# Altium PCB PCB3.PcbDoc (part 2 of 2)
Units mm, origin at the board's own origin, x right, y up, seen from the top; angles counter-clockwise.
Board outline 42.3 x 42.3 mm, 4 copper layers (Top Layer, Int1 (GND), Int2 (PWR), Bottom Layer), stack 1.369 mm thick; 111 components, 84 nets, 436 pads, 129 vias.
Unrouted connection lines stored in the file: 1.
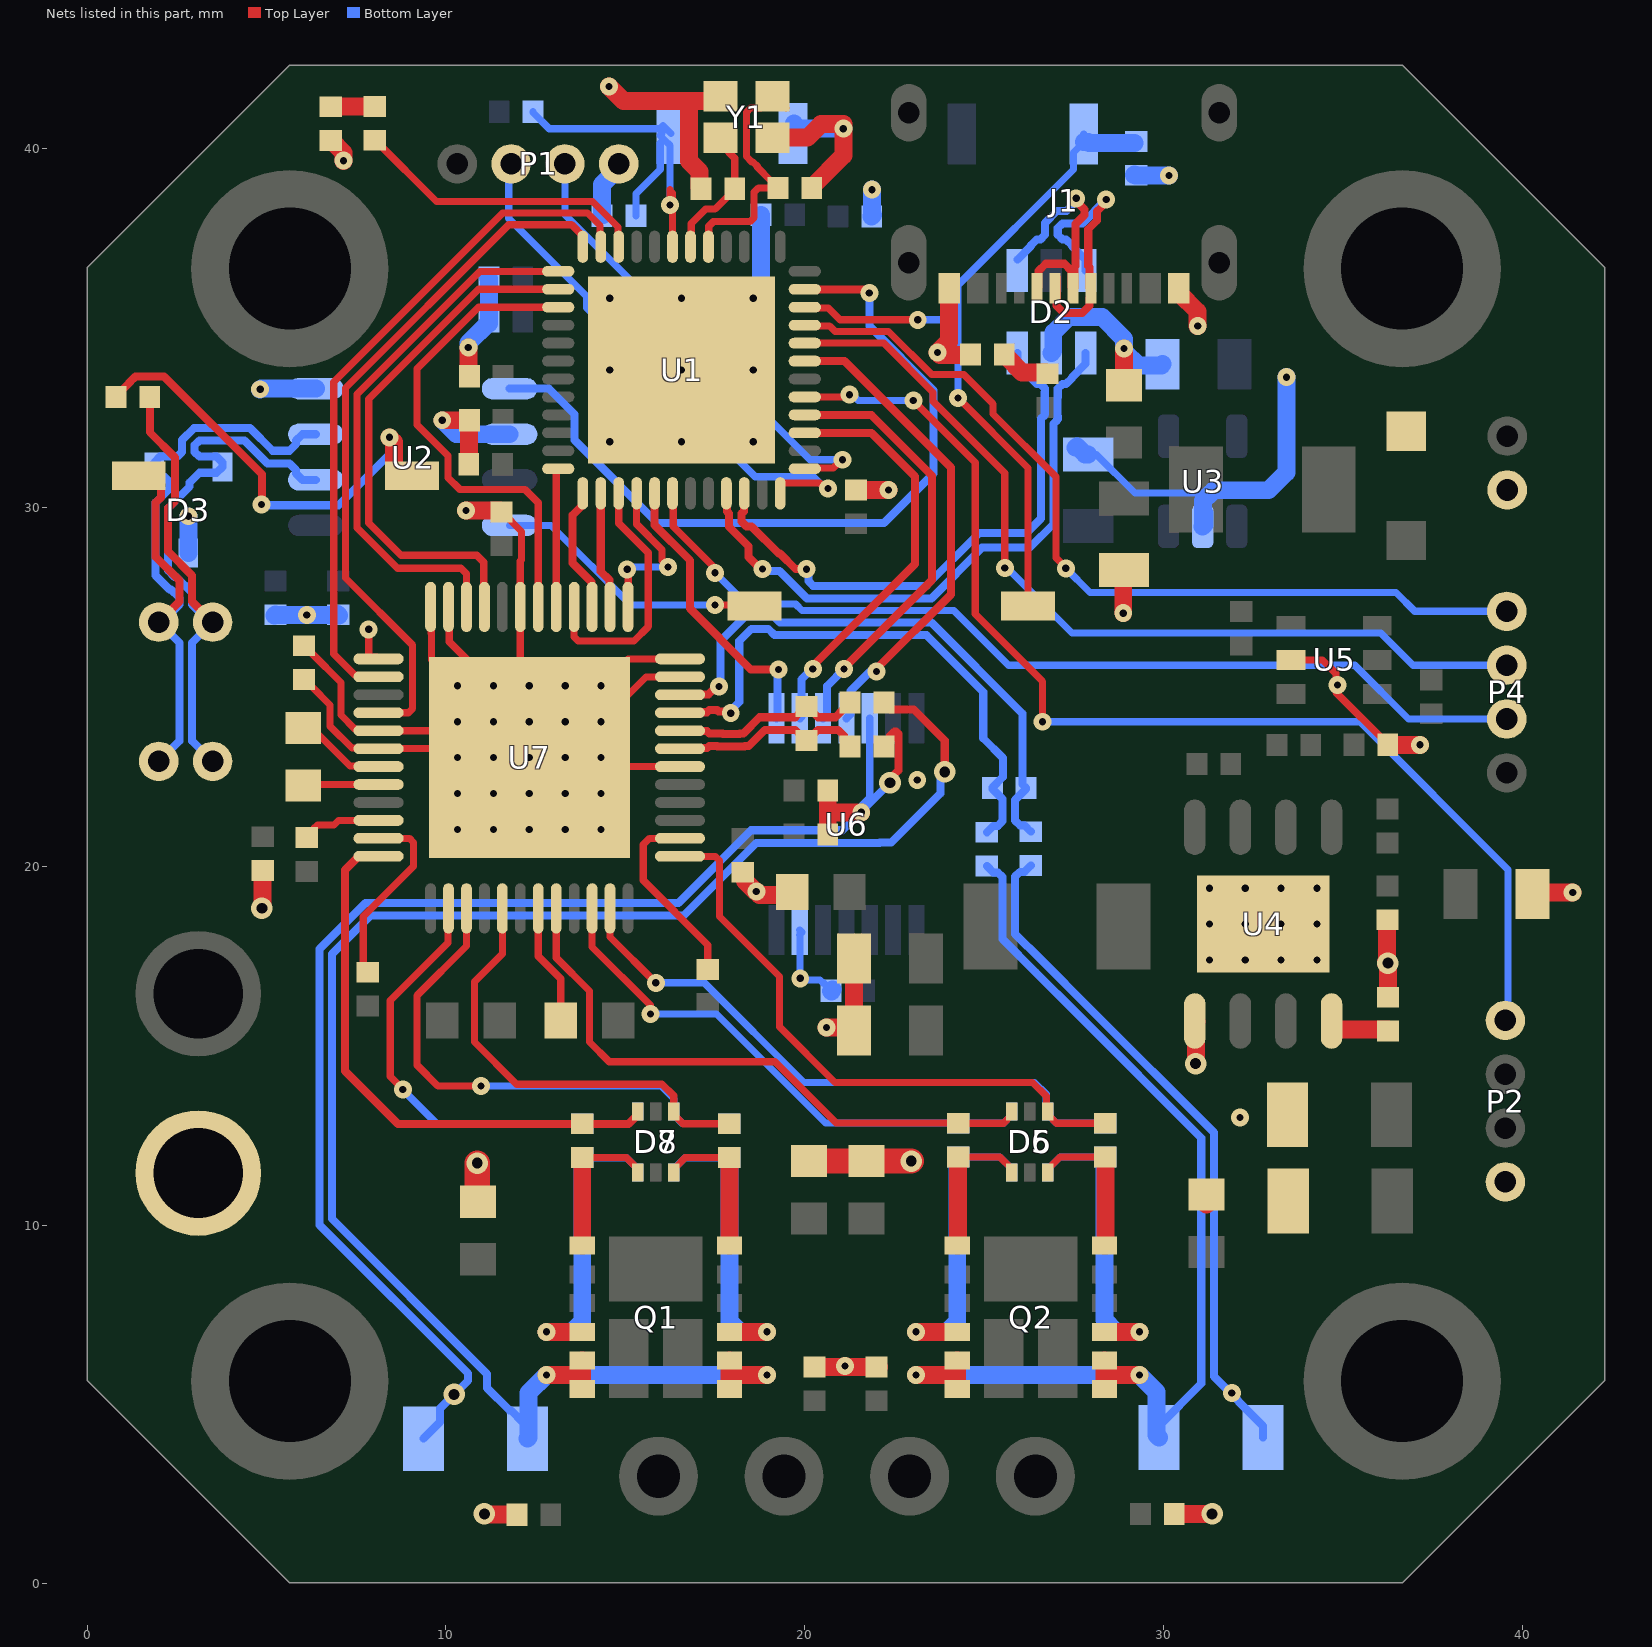
[diagram p4: the nets of this part, all layers, seen from the top]

## Via types
v1: diameter 0.5/0.5 (per signal layer), hole 0.2, Top Layer to Bottom Layer, 112 vias
v2: diameter 0.6/0.6 (per signal layer), hole 0.3, Top Layer to Bottom Layer, 14 vias
v3: diameter 0.9, hole 0.65, Top Layer to Bottom Layer, 2 vias
v4: diameter 0.5, hole 0.2, Top Layer to Bottom Layer, 1 vias

## Nets (pads, with @x,y where several pads share a name; then routed paths per layer and width w, separated by ;. In a path a pad name is that pad's centre, name@x,y a point inside that pad or via, vN(x,y) a via of type N, cw(c..) or ccw(c..) an arc to the next point about the centre after c; other vN are vias at no path point) (continued)
CA2: C34.1 U7.35 | length 5.2
  Top Layer w0.2: C34.1@7.7,17.07 7.7,18.6 9.1,20 9.1,20.658 8.983,20.775 U7.35@8.124,20.775
CAN_FD_RX: SW2.2 U2.4 | length 7.8
  Top Layer w0.2: v1(17.5,27.275) 18.579,27.275 SW2.2@18.604,27.25
  Bottom Layer w0.2: U2.4@11.775,29.495 12.93,29.495 15.15,27.275 v1(17.5,27.275)
CAN_FD_TX: U1.47 U2.1 | length 22
  Top Layer w0.225: U1.47@20.016,36.061 20.03,36.075 21.7,36.075 v1(21.8,35.975)
  Bottom Layer w0.225: U2.1@11.775,33.305 12.87,33.305 13.581,32.594 13.581,31.873 15.892,29.563 22.213,29.563 23.588,30.938 23.588,33.261 21.8,35.048 v1(21.8,35.975)
CAN_N: D3.2 J2.2 J3.2 R7.1 U2.6 | length 22.5
  Top Layer w0.225: R7.1@1.75,33.075 1.75,32.092 2.453,31.39 2.453,30.173 2.262,29.983 2.262,28.765 2.925,28.103 2.925,27.375 J3.2@3.5,26.8
  Bottom Layer w0.225: J2.2@3.5,22.919 2.925,23.494 2.925,24.684 2.925,26.225 J3.2@3.5,26.8 3.419,26.8 2.925,27.294 2.925,27.625 2.488,28.062 2.441,28.062 2.262,28.241 2.262,29.983 2.862,30.582 2.862,30.693 3.132,30.962 3.613,30.962 D3.2@3.775,31.125 3.775,31.25 3.613,31.413 3.132,31.413 3,31.544 3,31.731 3.132,31.863 4.392,31.863 5.03,31.225 5.645,31.225 5.828,31.042 5.828,30.938 6.002,30.765 U2.6@6.375,30.765
CAN_P: D3.1 J2.1 J3.1 SW1.1 U2.7 | length 20.5
  Top Layer w0.225: SW1.1@1.44,30.881 1.773,30.881 2.06,30.594 2.06,30.276 1.912,30.128 1.912,28.62 2.575,27.958 2.575,27.375 J3.1@2,26.8
  Bottom Layer w0.225: J2.1@2,22.919 2.575,23.494 2.575,24.829 2.575,26.225 J3.1@2,26.8 2.081,26.8 2.575,27.294 2.575,27.48 2.343,27.712 2.296,27.712 1.912,28.096 1.912,30.128 2.304,30.519 2.304,30.706 2.172,30.837 2.037,30.837 1.875,31 D3.1@1.875,31.125 1.875,31.25 2.037,31.413 2.518,31.413 2.65,31.544 2.65,31.876 2.987,32.213 4.537,32.213 5.175,31.575 5.645,31.575 5.828,31.758 5.828,31.862 6.002,32.035 U2.7@6.375,32.035
CB1: C33.1 U7.2 | length 5.3
  Top Layer w0.2: U7.2@16.524,20.775 15.675,20.775 15.5,20.6 15.5,19.605 17.3,17.805 C33.1@17.3,17.135
CB2: C35.1 U7.43 | length 3.7
  Top Layer w0.2: U7.43@12.574,18.825 12.574,17.487 13.2,16.861 C35.1@13.2,15.7 13.174,15.674 13.2,15.649 13.1,15.549 C35.1@13.2,15.449
CPI: C31.2 U7.32 | length 2.2
  Top Layer w0.2: C31.2@5.754,22.386 C31.2@5.94,22.2 ; C31.2@6.22,22.251 6.244,22.275 U7.32@8.124,22.275
CPO: C31.1 U7.31 | length 2.3
  Top Layer w0.2: C31.1@6.22,23.851 6.27,23.851 7.327,22.794 8.105,22.794 U7.31@8.124,22.775
D2_N: D2.6 J1.A7 J1.B7 | length 8.9
  Top Layer w0.225: J1.A7@26.975,36.1 27.012,36.063 27.012,35.804 27.012,35.616 27.216,35.412 27.734,35.412 27.937,35.616 27.937,35.833 27.948,35.844 J1.B7@27.948,36.127 ; J1.A7@27.023,35.804 27.023,36.1 J1.A7@27.023,36.401 ; J1.B7@27.948,36.401 J1.B7@27.948,36.127 ; J1.B7@27.975,36.1 J1.B7@27.948,36.127 ; v1(28.4,38.575) 28.4,38.501 28.15,38.251 28.15,37.998 27.9,37.748 27.9,36.727 27.938,36.69 27.938,36.401 27.938,36.137 J1.B7@27.948,36.127
  Bottom Layer w0.225: D2.6@27.825,36.6 27.825,36.9 27.443,37.282 27.443,37.303 27.284,37.463 27.182,37.463 27.05,37.594 27.05,37.781 27.182,37.913 27.738,37.913 v1(28.4,38.575)
D2_P: D2.4 J1.A6 J1.B6 | length 7.4
  Top Layer w0.225: J1.B6@26.475,36.1 26.512,36.137 26.512,36.584 26.716,36.788 27.234,36.788 27.437,36.584 27.437,36.137 J1.A6@27.475,36.1 27.512,36.137 27.512,36.584 27.512,36.69 27.55,36.727 27.55,37.893 27.8,38.143 27.8,38.301 27.565,38.536 v1(27.565,38.61)
  Bottom Layer w0.225: D2.4@25.925,36.9 26.307,37.282 26.307,37.303 26.466,37.463 26.568,37.463 26.7,37.594 26.7,37.926 27.037,38.263 27.295,38.263 27.427,38.394 27.427,38.399 27.565,38.536 v1(27.565,38.61)
D_N: D2.1 U1.33 | length 17.1
  Top Layer w0.225: U1.33@17.816,30.39 17.831,30.376 17.831,29.886 17.891,29.826 17.891,29.458 18.434,28.915 18.434,28.616 18.769,28.281 v1(18.825,28.281)
  Bottom Layer w0.225: v1(18.825,28.281) 18.878,28.228 19.301,28.228 20.067,27.463 23.532,27.463 24.945,28.875 26.27,28.875 26.937,29.543 26.937,32.328 27.027,32.418 27.027,32.441 27.05,32.464 27.05,32.532 27.039,32.544 27.039,33.06 27.05,33.071 27.05,33.306 27.182,33.437 27.284,33.437 27.443,33.597 27.443,33.618 27.825,34 D2.1@27.825,34.3
D_P: D2.3 U1.34 | length 15.9
  Top Layer w0.225: U1.34@18.316,30.39 18.302,30.376 18.302,29.886 18.241,29.826 18.241,29.602 18.375,29.469 18.52,29.469 19.277,28.713 19.313,28.713 19.751,28.275 v1(20.05,28.275)
  Bottom Layer w0.225: v1(20.05,28.275) 20.1,28.225 20.1,27.944 20.232,27.813 23.388,27.813 24.863,29.288 26.188,29.288 26.587,29.687 26.587,32.473 26.677,32.563 26.677,32.586 26.689,32.598 26.689,33.205 26.7,33.216 26.7,33.306 26.568,33.437 26.466,33.437 26.307,33.597 26.307,33.618 25.925,34 D2.3@25.925,34.3
DIAG0: U1.11 U7.26 | length 19.2
  Top Layer w0.2: U7.26@8.124,25.275 7.547,25.275 7.497,25.325 7.459,25.325 6.875,25.909 6.875,33.491 8.605,35.22 11.584,38.2 13.95,38.2 14.297,37.853 14.297,37.279 U1.11@14.316,37.26
ENC_A: P4.2 U1.44 | length 25
  Top Layer w0.2: U1.44@20.001,34.575 22.203,34.575 23.575,33.203 23.575,32.953 25.575,30.953 v1(25.575,28.312)
  Bottom Layer w0.2: v1(25.575,28.312) 25.638,28.312 27.45,26.5 36.05,26.5 36.949,25.601 P4.2@39.562,25.601
ENC_B: P4.1 U1.45 | length 24.4
  Top Layer w0.2: U1.45@20.001,35.075 20.021,35.056 20.694,35.056 20.85,34.9 22.337,34.9 23.537,33.7 24.432,33.7 25.25,32.882 25.25,32.6 27,30.85 27,28.592 27.275,28.317 v1(27.275,28.3)
  Bottom Layer w0.2: v1(27.275,28.3) 27.95,27.625 36.475,27.625 36.999,27.101 P4.1@39.562,27.101
ENC_CS: U1.29 U6.1 | length 8.2
  Top Layer w0.225: U1.29@15.816,30.39 15.816,29.507 16.8,28.523 16.8,27.18 18.496,25.483 v1(19.271,25.483)
  Bottom Layer w0.225: U6.1@19.213,24.12 19.242,24.149 19.242,25.454 v1(19.271,25.483)
ENC_I: P4.3 U1.30 | length 26.5
  Top Layer w0.2: U1.30@16.316,30.39 16.336,30.371 16.336,29.465 17.5,28.3 v1(17.5,28.175)
  Bottom Layer w0.2: v1(17.5,28.175) 18.374,27.301 19.751,27.301 19.927,27.125 24.15,27.125 25.675,25.6 35.325,25.6 36.824,24.101 P4.3@39.562,24.101
ENC_MISO: U1.40 U6.3 | length 12.3
  Top Layer w0.225: U1.40@20.001,32.575 21.855,32.575 23.55,30.88 23.55,27.975 21.097,25.522 v1(21.097,25.496)
  Bottom Layer w0.225: U6.3@20.513,24.12 20.626,24.233 20.626,25.024 v1(21.097,25.496)
ENC_MOSI: U1.43 U6.4 | length 13.6
  Top Layer w0.225: U1.43@20.001,34.075 21.108,34.075 22.265,32.918 24.075,31.108 24.075,27.575 22.001,25.501 v1(22.001,25.426)
  Bottom Layer w0.225: U6.4@21.163,24.12 21.276,24.233 21.276,24.879 21.823,25.426 v1(22.001,25.426)
ENC_SCK: U1.39 U6.2 | length 11.7
  Top Layer w0.225: U1.39@20.001,32.075 21.86,32.075 23.075,30.86 23.075,28.425 20.225,25.575 v1(20.225,25.496)
  Bottom Layer w0.225: U6.2@19.863,24.12 19.907,24.163 19.907,25.207 20.196,25.496 v1(20.225,25.496)
FAN_PWM: P2.1 U1.41 | length 32.5
  Top Layer w0.2: U1.41@20.001,33.075 21.106,33.075 21.169,33.138 v1(21.25,33.138) ; v1(23.025,32.975) 24.75,31.25 24.75,27.025 26.625,25.15 v1(26.625,24.025)
  Bottom Layer w0.2: v1(21.25,33.138) 21.331,33.138 21.494,32.975 v1(23.025,32.975) ; v1(26.625,24.025) 35.478,24.025 39.6,19.903 39.6,15.775 P2.1@39.525,15.7
G1: D6.1 Q2.1 R21.2 | length 4.2
  Top Layer w0.2: R21.2@24.275,11.898 25.435,11.898 25.775,11.558 D6.1@25.775,11.468
  Top Layer w0.5: Q2.1@24.25,9.425 24.275,9.425 R21.2@24.275,11.898
G1_2: D8.1 Q1.1 R17.2 | length 4.2
  Top Layer w0.2: R17.2@13.8,11.631 13.882,11.55 ; R17.2@13.8,11.88 15.028,11.88 15.35,11.558 D8.1@15.35,11.49 ; D8.1@15.29,11.55 D8.1@15.35,11.49 ; D8.1@15.35,11.468 D8.1@15.35,11.49
  Top Layer w0.5: Q1.1@13.8,9.425 13.8,11.631 R17.2@13.8,11.688
G2: D5.3 Q2.4 R16.2 | length 8.7
  Top Layer w0.5: v1(23.1,7.025) Q2.4@24.25,7.025
  Bottom Layer w0.2: R16.2@24.275,11.898 25.42,11.898 25.425,11.893 25.44,11.893 25.775,11.558 D5.3@25.775,11.468
  Bottom Layer w0.5: v1(23.1,7.025) 23.957,7.025 24.25,7.318 R16.2@24.25,11.905
G2_2: D7.3 Q1.4 R20.2 | length 8.4
  Top Layer w0.5: v1(12.8,7.025) Q1.4@13.8,7.025
  Bottom Layer w0.2: R20.2@13.8,11.875 15.033,11.875 15.35,11.558 D7.3@15.35,11.468
  Bottom Layer w0.5: v1(12.8,7.025) 13.507,7.025 13.8,7.318 R20.2@13.8,11.875
G3: D5.1 Q2.9 R22.2 | length 8.5
  Top Layer w0.5: Q2.9@28.35,7.025 v1(29.325,7.025)
  Bottom Layer w0.2: D5.1@26.775,11.468 26.775,11.558 27.115,11.898 R22.2@28.375,11.898
  Bottom Layer w0.5: R22.2@28.35,11.905 28.35,7.35 28.675,7.025 v1(29.325,7.025)
G3_2: D7.1 Q1.9 R19.2 | length 8.3
  Top Layer w0.5: Q1.9@17.9,7.025 v1(18.95,7.025)
  Bottom Layer w0.2: D7.1@16.35,11.468 16.35,11.558 16.667,11.875 17.895,11.875 R19.2@17.9,11.88
  Bottom Layer w0.5: R19.2@17.9,11.63 17.9,7.318 18.193,7.025 v1(18.95,7.025)
G4: D6.3 Q2.12 R23.2 | length 4.3
  Top Layer w0.2: D6.3@26.775,11.468 26.775,11.558 27.115,11.898 R23.2@28.375,11.898
  Top Layer w0.5: Q2.12@28.35,9.425 28.375,9.425 R23.2@28.375,11.898
G4_2: D8.3 Q1.12 R18.2 | length 4
  Top Layer w0.2: D8.3@16.35,11.468 16.35,11.558 16.41,11.618 16.672,11.88 R18.2@17.9,11.88 ; 17.847,11.52 17.9,11.573
  Top Layer w0.5: Q1.12@17.9,9.425 17.9,11.573 R18.2@17.9,11.608
GND: C1.1 C2.2 C3.2 C4.1 C5.1 C6.1 C7.1 C8.1 C9.1 C10.2 C11.1 C12.2 C13.1 C14.2 C15.2 C16.2 C17.2 C18.2 C21.2 C22.2 C23.2 C24.2 C25.2 C26.1 C27.1 C27.2 C28.1 C29.1 C30.1 C39.2 C40.2 C41.1 C42.1 C43.1 C44.1 C45.1 C46.1 C47.1 D2.2 D3.3 D4.2 J1.A1B12 J1.A12B1 J4.2 J5.2 LD1.2 LD2.2 P1.4 P2.4 R2.2 R9.1 R11.1 R13.1 R15.2 R25.2 R27.2 R28.1 R29.1 S1.2 U1.0 U2.2 U2.8 U3.2 U4.0 U4.1 U5.2 U6.5 U6.13 U7.6 U7.11 U7.12 U7.19 U7.23 U7.24 U7.25 U7.29 U7.30 U7.49 Y1.2 Y1.4 | length 169.8
  Top Layer w0.2: C27.1@6.05,25.204 6.07,25.204 6.26,25.014 6.26,25.004 6.775,24.489 6.775,23.9 7.381,23.294 8.105,23.294 U7.30@8.124,23.275 10.074,23.275 v1(10.324,23.025) ; C27.2@6.05,26.144 6.069,26.145 6.26,25.954 6.26,25.935 7.075,25.12 7.075,24.209 7.459,23.825 7.497,23.825 7.547,23.775 U7.29@8.124,23.775 10.074,23.775 v1(10.324,24.025) ; v1(7.85,26.6) 7.85,25.821 8.078,25.821 U7.25@8.124,25.775 ; U7.24@9.574,27.225 9.593,27.206 9.593,26.485 9.599,26.479 9.599,25.75 v1(10.324,25.025) ; U7.23@10.074,27.225 10.093,27.206 10.093,26.256 v1(11.324,25.025) ; C30.1@11.55,29.869 11.57,29.869 12.11,29.329 12.11,28.536 12.074,28.5 U7.19@12.074,27.225 12.074,25.275 v1(12.324,25.025) ; v1(14.324,23.025) 14.574,22.775 U7.6@16.524,22.775 ; v1(14.324,24.025) 15.574,25.275 U7.11@16.524,25.275 ; v1(14.324,25.025) 15.074,25.775 U7.12@16.524,25.775 ; U5.2@33.55,25.746 34.429,25.746 34.8,25.375 34.8,25.093 v1(34.843,25.05) ; v1@34.8,25.068 34.8,24.847 36.245,23.402 R13.1@36.245,23.382
  Top Layer w0.225: R27.2@22.205,23.334 22.382,23.512 22.382,23.64 22.499,23.757 22.542,23.757 22.607,23.691 22.607,22.669 22.376,22.437 v2(22.376,22.326)
  Top Layer w0.5: v2@4.875,18.877 v2(4.875,18.825) 4.888,18.838 4.888,19.868 C39.2@4.9,19.88 4.92,19.88 C39.2@4.96,19.84 ; LD1.2@6.791,40.219 6.811,40.219 7.15,39.88 v1(7.15,39.658) v1@7.15,39.65 ; v1(9.9,32.425) C11.1@10.655,32.425 C11.1@10.647,32.417 ; v1(10.559,29.909) 11.51,29.909 C30.1@11.55,29.869 ; v1(10.625,34.45) C12.2@10.625,33.679 ; C11.1@10.63,32.4 C11.1@10.647,32.417 ; C9.1@10.639,31.2 10.647,31.208 C11.1@10.647,32.417 ; C12.2@10.65,33.704 C12.2@10.625,33.679 ; C12.2@10.655,33.649 C12.2@10.625,33.679 ; v2(11.075,1.95) 11.088,1.937 11.973,1.937 C47.1@11.985,1.925 ; v1(14.55,41.725) 14.95,41.325 16.775,41.325 ; C2.2@17.111,38.875 17.071,38.915 17.071,39.354 16.775,39.65 16.775,41.325 ; Y1.2@17.65,41.45 17.575,41.525 17.375,41.325 16.775,41.325 ; C29.1@18.275,19.83 18.295,19.83 18.335,19.79 18.335,19.588 18.628,19.295 v1(18.65,19.295) 18.743,19.202 19.577,19.202 R15.2@19.65,19.275 ; Y1.4@19.1,40.3 20.076,40.3 20.451,40.675 21.075,40.675 21.075,39.8 20.195,38.92 C3.2@20.195,38.9 ; C45.1@20.275,6.045 21.095,6.045 v1(21.125,6.075) 21.155,6.045 C46.1@22.075,6.045 ; C45.1@20.375,6.045 C45.1@20.405,6.075 ; v1@20.6,15.5 C21.2@21.261,15.5 ; C25.2@20.641,20.886 20.641,21.5 ; C28.1@20.641,22.11 20.641,21.5 ; C21.2@21.156,15.396 C21.2@21.261,15.5 ; C23.2@21.292,17.507 C23.2@21.374,17.425 C21.2@21.374,15.421 21.295,15.5 C21.2@21.261,15.5 ; C21.2@21.365,15.605 C21.2@21.261,15.5 ; C5.1@21.431,30.483 v1(22.333,30.483) ; v1(21.575,21.5) 20.641,21.5 ; v1(23.7,34.315) 23.993,34.608 24.025,34.608 J1.A12B1@24.025,36.1 ; v1@23.775,34.25 24.608,34.25 LD2.2@24.618,34.26 ; C24.2@28.8,33.504 C24.2@28.9,33.404 v1(28.9,34.425) ; v1(28.875,27.05) 28.875,28.125 28.95,28.2 C22.2@28.9,28.25 ; C44.1@30.269,1.975 C44.1@30.295,1.95 v2(31.35,1.95) ; J1.A1B12@30.45,36.075 J1.A1B12@30.425,36.1 30.425,35.975 30.95,35.45 v1@30.95,35.05 ; v2(30.892,14.5) 30.902,14.51 30.902,15.665 U4.1@30.912,15.675 ; C40.2@31.193,10.575 C40.2@31.203,10.585 ; v2@36.2,17.3 36.2,17.327 36.225,17.352 36.225,18.491 R11.1@36.239,18.505 ; R13.1@36.245,23.382 v1(37.144,23.382) ; R9.1@36.25,16.345 v2(36.25,17.3) ; C16.2@40.486,19.286 40.486,19.281 40.5,19.267 v1(41.4,19.267)
  Top Layer w0.7: v2(10.875,11.725) 10.875,10.675 C41.1@10.9,10.65 ; C43.1@20.116,11.782 C42.1@21.721,11.782 v2(22.968,11.782)
  Bottom Layer w0.2: U6.13@19.85,18.083 U6.13@19.869,18.102 ; U6.13@19.863,18.22 U6.13@19.869,18.214 ; v1@19.932,16.818 v1@19.92,16.83 ; C26.1@20.73,16.525 20.73,16.545 20.54,16.735 20.52,16.735 20.425,16.83 v1@19.92,16.83 ; v1(21.575,21.5) 21.575,21.675 21.813,21.913 U6.5@21.813,24.12 ; C14.2@27.9,31.475 28.125,31.475 29.2,30.4 31.318,30.4 31.393,30.475 ; U6.13@19.869,18.102 19.869,16.881 v1(19.875,16.875) v1@19.92,16.83 ; U6.13@19.869,18.102 U6.13@19.869,18.214 ; U6.13@19.869,18.102 19.925,18.158 U6.13@19.869,18.214
  Bottom Layer w0.225: R29.1@9.375,4.05 9.837,4.512 9.837,4.887 v2(10.23,5.28) 10.622,5.672 10.622,5.858 6.475,10.005 6.475,17.695 7.758,18.978 16.483,18.978 18.505,21 21.05,21 v2(22.376,22.326) ; R25.2@26.299,20.021 26.122,19.843 25.994,19.843 25.862,19.711 25.862,18.113 26.594,17.381 27.935,16.04 31.4,12.575 31.4,5.775 32.771,4.404 R28.1@32.771,4.079
  Bottom Layer w0.5: D3.3@2.825,28.725 v1(2.825,29.75) ; v1@4.825,33.275 4.855,33.305 U2.8@6.375,33.305 ; C8.1@5.225,26.98 C8.1@5.25,27.005 ; C8.1@5.254,27.009 C8.1@5.25,27.005 ; C6.1@6.98,27.025 C6.1@7,27.005 ; C6.1@7.026,26.979 C6.1@7,27.005 ; v1(9.9,32.425) 10.29,32.035 U2.2@11.775,32.035 ; v1(10.625,34.45) 10.625,34.575 C13.1@11.2,35.15 ; C10.2@11.18,36.4 C10.2@11.2,36.38 ; C10.2@11.2,36.33 C13.1@11.2,35.15 ; C13.1@11.205,35.126 11.2,35.131 C13.1@11.2,35.15 ; C13.1@11.205,35.175 11.205,35.155 C13.1@11.2,35.15 ; C1.1@14.355,38.125 14.355,38.998 P1.4@14.818,39.46 ; P1.4@14.818,39.405 P1.4@14.818,39.46 ; P1.4@14.818,39.568 P1.4@14.818,39.46 ; U1.0@18.566,35.825 18.566,35.852 18.78,36.066 C7.1@18.78,38.15 ; S1.2@19.7,40.7 19.7,40.675 19.825,40.55 v1(21.075,40.55) ; C26.1@20.75,16.505 C26.1@20.73,16.525 C26.1@20.77,16.565 ; C4.1@21.865,38.12 C4.1@21.865,38.1 C4.1@21.875,38.11 ; v1(21.875,38.85) C4.1@21.875,38.11 ; C4.1@21.905,38.14 C4.1@21.875,38.11 ; D2.2@26.875,34.3 26.925,34.35 26.925,34.866 27.359,35.3 28.291,35.3 28.9,34.691 v1(28.9,34.425) 28.9,34.35 29.3,33.95 29.936,33.95 C18.2@29.975,33.989 ; C14.2@27.55,31.659 27.591,31.7 27.816,31.475 C14.2@27.9,31.475 ; R2.2@29.218,39.25 R2.2@29.213,39.255 ; v1(30.15,39.25) 29.244,39.25 R2.2@29.239,39.255 R2.2@29.213,39.255 ; U3.2@31.09,29.47 U3.2@31.1,29.48 ; U3.2@31.135,29.825 31.135,29.515 U3.2@31.1,29.48 ; 31.318,30.4 31.1,30.182 U3.2@31.1,29.48 ; 31.393,30.475 32.925,30.475 33.425,30.975 v1(33.425,33.625) ; C8.1@5.25,27.005 6.12,27.005 v1(6.125,27) 6.995,27 C6.1@7,27.005 ; R2.2@29.213,39.255 29.185,39.255 29.179,39.261 29.193,39.275 R2.2@29.213,39.255
  other v1: 31.9,5.319 32.125,13 20.61,15.502 10.324,21.025 11.324,21.025 12.324,21.025 13.324,21.025 14.324,21.025 10.324,22.025 11.324,22.025 12.324,22.025 13.324,22.025 14.324,22.025 23.135,22.401 11.324,23.025 12.324,23.025 13.324,23.025 11.324,24.025 12.324,24.025 13.324,24.025 13.324,25.025 4.827,33.29 30.952,35.055
HA1: D8.4 R18.1 U7.41 | length 12.4
  Top Layer w0.2: U7.41@11.574,18.825 11.574,17.555 10.8,16.781 10.8,15.096 11.971,13.925 16.025,13.925 16.349,13.601 D8.4@16.35,13.168 ; D8.4@16.35,13.168 16.35,13.078 16.608,12.82 R18.1@17.9,12.82
HA2: D8.6 R17.1 U7.36 | length 15.7
  Top Layer w0.225: U7.36@8.124,20.275 8.1,20.251 7.55,20.251 7.187,19.888 7.187,14.296 8.664,12.82 15.092,12.82 15.35,13.078 D8.6@15.35,13.168
HB1: D6.4 R23.1 U7.1 | length 16.8
  Top Layer w0.2: U7.1@16.524,20.275 16.527,20.272 17.508,20.272 17.625,20.155 17.625,18.6 19.3,16.925 19.3,15.522 20.847,13.975 26.35,13.975 26.733,13.592 D6.4@26.733,13.192 ; D6.4@26.758,13.185 D6.4@26.775,13.168 ; D6.4@26.775,13.078 27.015,12.838 R23.1@28.375,12.838
HB2: D6.6 R21.1 U7.44 | length 16.7
  Top Layer w0.2: U7.44@13.074,18.825 13.074,17.446 14,16.521 14,15.1 14.55,14.55 19.175,14.55 20.88,12.845 R21.1@24,12.845 ; R21.1@24.275,12.838 25.535,12.838 25.775,13.078 D6.6@25.775,13.168
LA1: D7.6 R19.1 U7.39 | length 14.5
  Top Layer w0.2: U7.39@10.574,18.825 10.574,17.774 9.2,16.4 9.2,14.451 9.776,13.875 v1(10.975,13.875)
  Bottom Layer w0.2: v1(10.975,13.875) 16,13.875 16.35,13.525 D7.6@16.35,13.168 ; D7.6@16.34,13.088 16.603,12.825 17.895,12.825 R19.1@17.9,12.82
LA2: D7.4 R20.1 U7.38 | length 13
  Top Layer w0.2: v1(8.8,13.772) 8.8,13.79 8.45,14.14 8.45,16.257 10.055,17.862 10.055,18.806 U7.38@10.074,18.825
  Bottom Layer w0.2: v1(8.8,13.772) 9.747,12.825 13.795,12.825 R20.1@13.8,12.82 13.805,12.825 15.097,12.825 15.3,13.028 D7.4@15.3,13.168
LB1: D5.6 R22.1 U7.47 | length 17
  Top Layer w0.2: U7.47@14.574,18.825 14.574,18.026 v1(15.85,16.75)
  Bottom Layer w0.2: v1(15.85,16.75) 17.201,16.75 19.976,13.975 26.405,13.975 26.732,13.648 D5.6@26.732,13.193 ; D5.6@26.757,13.186 D5.6@26.835,13.108 ; D5.6@26.775,13.078 27.01,12.843 28.37,12.843 R22.1@28.375,12.838
LB2: D5.4 R16.1 U7.46 | length 15.1
  Top Layer w0.2: U7.46@14.074,18.825 14.074,17.748 15.7,16.122 v1(15.7,15.882)
  Bottom Layer w0.2: v1(15.7,15.882) 17.543,15.882 20.58,12.845 R16.1@24.25,12.845 ; R16.1@24.275,12.838 25.535,12.838 25.775,13.078 D5.4@25.775,13.168
LED: R6.2 U1.10 | length 8.3
  Top Layer w0.2: R6.2@8.015,40.229 8.035,40.229 9.739,38.525 14.085,38.525 14.797,37.812 14.797,37.279 U1.10@14.816,37.26
NetLD1_1: LD1.1 R6.1 | length 1.2
  Top Layer w0.5: LD1.1@6.791,41.159 6.796,41.164 8.01,41.164 R6.1@8.015,41.169 R6.1@8.02,41.174
NetLD2_1: LD2.1 R5.2 | length 1.4
  Top Layer w0.5: LD2.1@25.558,34.26 25.558,34.24 25.598,34.2 25.618,34.2 26.058,33.76 26.722,33.76 R5.2@26.762,33.72
NetR7_2: R7.2 SW1.2 | length 12.6
  Top Layer w0.225: R7.2@0.81,33.075 0.81,33.095 1.192,33.477 1.192,33.488 1.351,33.647 2.149,33.647 4.875,30.921 4.875,30.092 v1(4.858,30.075)
  Top Layer w0.5: v1(8.425,31.95) 8.56,31.815 8.56,31.031 8.71,30.881 SW1.2@9.06,30.881
  Bottom Layer w0.225: v1(4.858,30.075) 4.865,30.075 4.882,30.057 7.007,30.057 8.582,31.632 8.582,31.719 8.425,31.876 v1(8.425,31.95)
NetR9_2: R9.2 U4.4 | length 1.8
  Top Layer w0.5: U4.4@34.68,15.675 34.68,15.491 34.726,15.445 R9.2@36.25,15.445
NRST: C1.2 R1.1 S1.1 U1.7 | length 11.2
  Top Layer w0.2: 16.25,38.85 v1(16.25,38.425) 16.25,38.692 16.316,38.759 U1.7@16.316,37.26
  Bottom Layer w0.2: R1.1@12.426,41.025 12.426,41.005 12.881,40.55 15.975,40.55 15.975,40.555 16.054,40.635 S1.1@16.275,40.414 ; C1.2@15.295,38.125 15.295,38.735 15.975,39.415 15.975,40.15 S1.1@16.077,40.252 ; S1.1@16.025,40.605 16.025,40.425 16.003,40.403 15.964,40.364 S1.1@16.077,40.252 ; v1(16.25,38.425) 16.25,40.078 S1.1@16.077,40.252
O_IN: C3.1 U1.5 Y1.1 | length 7.3
  Top Layer w0.2: U1.5@17.316,37.26 17.325,37.269 17.325,37.833 17.452,37.96 18.473,37.96 18.591,38.077 18.591,38.783 18.708,38.9 C3.1@19.255,38.9 19.255,38.92 19.065,39.11 19.045,39.11 18.675,39.48 18.675,39.508 18.558,39.625 18.521,39.625 18.375,39.771 18.375,41.008 18.492,41.125 18.775,41.125 Y1.1@19.1,41.45 19.15,41.45 Y1.1@19.475,41.125
O_OUT: C2.1 U1.6 Y1.3 | length 3.6
  Top Layer w0.2: U1.6@16.816,37.26 16.836,37.279 16.836,37.911 17.24,38.315 17.504,38.315 17.515,38.326 17.521,38.326 18.051,38.855 18.051,39.728 Y1.3@17.7,40.078
PB8_BOOT0: R2.1 S2.2 SW2.1 U1.46 | length 21.2
  Top Layer w0.2: U1.46@20.001,35.575 20.021,35.556 20.654,35.556 20.985,35.225 v1(23.15,35.225) ; v1(24.275,33.045) 26.224,31.097 SW2.1@26.224,27.25
  Bottom Layer w0.2: v1(23.15,35.225) 24.225,35.225 24.25,35.2 ; v1(24.275,33.045) 24.275,36.204 27.486,39.415 27.486,39.886 27.775,40.175 S2.2@27.775,40.4
  Bottom Layer w0.5: S2.2@27.775,40.175 27.9,40.175 27.925,40.15 R2.1@29.19,40.15
SD_MODE: U1.14 U7.21 | length 14.9
  Top Layer w0.2: U7.21@11.074,27.225 11.055,27.244 11.055,28.47 10.863,28.662 8.75,28.662 7.85,29.563 7.85,33.015 10.91,36.075 U1.14@13.131,36.075
SPI_MODE: U1.13 U7.22 | length 15.3
  Top Layer w0.2: U7.22@10.574,27.225 10.574,28.151 10.425,28.3 8.653,28.3 7.525,29.428 7.525,33.15 10.95,36.575 U1.13@13.131,36.575
SRAH1_N: C38.1 R27.1 U7.7 | length 5.5
  Top Layer w0.225: U7.7@16.524,23.275 16.539,23.289 17.278,23.289 17.339,23.35 17.562,23.35 17.573,23.339 18.329,23.339 18.34,23.35 18.439,23.35 18.889,23.8 19.735,23.8 20.03,23.505 C38.1@20.05,23.505 20.07,23.505 20.365,23.8 20.927,23.8 21.087,23.64 21.087,23.512 R27.1@21.265,23.334
SRAH1_P: C38.2 R26.1 U7.8 | length 5.4
  Top Layer w0.225: U7.8@16.524,23.775 16.539,23.761 17.278,23.761 17.339,23.7 17.707,23.7 17.718,23.689 18.184,23.689 18.195,23.7 18.294,23.7 18.744,24.15 19.735,24.15 20.03,24.445 C38.2@20.05,24.445 20.07,24.445 20.365,24.15 20.856,24.15 21.067,24.362 21.087,24.362 21.265,24.539 R26.1@21.265,24.559
SRAH_P: Q1.5 Q1.6 Q1.7 Q1.8 R26.2 R29.2 | length 49.5
  Top Layer w0.225: R26.2@22.205,24.559 22.205,24.539 22.382,24.362 23.038,24.362 23.901,23.499 v2(23.901,22.626)
  Top Layer w0.5: v1(12.8,5.825) 13.8,5.825 ; Q1.6@13.8,5.425 13.8,5.825 ; Q1.5@13.8,6.225 13.8,5.825 ; Q1.7@17.9,5.425 17.9,5.825 ; Q1.8@17.9,6.225 17.9,5.825 ; v1(18.95,5.825) 17.9,5.825
  Bottom Layer w0.225: R29.2@12.138,4.512 11.813,4.837 11.776,4.837 11.15,5.464 11.15,5.85 6.825,10.175 6.825,17.55 7.903,18.628 16.628,18.628 18.65,20.65 22.08,20.65 22.092,20.663 22.411,20.663 23.778,22.029 23.778,22.503 v2(23.901,22.626)
  Bottom Layer w0.5: R29.2@12.275,4.05 12.3,4.075 12.3,4.339 12.3,4.675 12.3,5.325 v1(12.8,5.825) v1(18.95,5.825)
SRBH1_N: C37.1 R25.1 U7.10 | length 16
  Top Layer w0.225: U7.10@16.524,24.775 16.539,24.789 17.318,24.789 17.538,25.01 v1(17.612,25.01)
  Bottom Layer w0.225: v1(17.612,25.01) 17.65,25.047 17.65,26.276 18.332,26.958 18.367,26.958 18.373,26.964 19.129,26.964 19.305,26.787 23.532,26.787 26.062,24.257 26.062,22.283 C37.1@26.17,22.175 26.17,22.155 25.862,21.847 25.862,21.27 25.994,21.138 26.122,21.138 R25.1@26.299,20.961
SRBH1_P: C37.2 R24.1 U7.9 | length 15.8
  Top Layer w0.225: U7.9@16.524,24.275 16.539,24.289 17.278,24.289 17.339,24.35 17.562,24.35 17.596,24.316 17.841,24.316 v1@17.875,24.35
  Bottom Layer w0.225: v1(17.939,24.263) 17.939,24.338 18.175,24.574 18.175,26.271 18.518,26.614 18.984,26.614 19.16,26.437 23.388,26.437 24.975,24.85 24.975,23.564 25.525,23.014 25.525,22.49 25.23,22.195 C37.2@25.23,22.175 25.23,22.155 25.512,21.873 25.512,21.254 25.38,21.123 25.252,21.123 R24.1@25.075,20.945
SRBH_P: Q2.5 Q2.6 Q2.7 Q2.8 R24.2 R28.2 | length 30.6
  Top Layer w0.5: v1(23.1,5.825) 24.25,5.825 ; Q2.6@24.25,5.425 24.25,5.825 ; Q2.5@24.25,6.225 24.25,5.825 ; Q2.7@28.35,5.425 28.35,5.825 ; Q2.8@28.35,6.225 28.35,5.825 ; v1(29.325,5.825) 28.35,5.825
  Bottom Layer w0.225: R24.2@25.075,20.005 25.252,19.828 25.38,19.828 25.512,19.696 25.512,17.968 26.449,17.031 27.585,15.895 31.05,12.43 31.05,5.584 R28.2@29.871,4.404
  Bottom Layer w0.5: v1(23.1,5.825) v1(29.325,5.825) 29.8,5.35 29.8,4.404 29.8,4.15 R28.2@29.871,4.079
SWCLK: P1.3 U1.37 | length 13.1
  Top Layer w0.2: U1.37@20.001,31.075 20.021,31.094 20.794,31.094 21.025,31.325 v1(21.05,31.325)
  Bottom Layer w0.2: P1.3@13.318,39.568 13.318,38.155 20.147,31.325 v1(21.05,31.325)
SWDIO: P1.2 U1.36 | length 15.4
  Top Layer w0.2: U1.36@19.316,30.39 19.316,30.629 19.363,30.675 20.421,30.675 20.57,30.526 v1(20.651,30.526)
  Bottom Layer w0.2: P1.2@11.818,39.568 11.75,39.5 11.75,38.047 13.916,35.88 13.916,35.556 18.622,30.85 20.246,30.85 20.57,30.526 v1(20.651,30.526)
TMC_CS: U1.28 U7.13 | length 4.6
  Top Layer w0.2: v1(15.053,28.272) 15.082,28.243 15.082,27.232 U7.13@15.074,27.225 ; U1.28@15.316,30.39 15.316,29.529 16.026,28.82 16.026,28.502 v1(16.189,28.339)
  Bottom Layer w0.2: v1(15.053,28.272) 15.12,28.339 v1(16.189,28.339)
TMC_DIR: U1.15 U7.18 | length 13.7
  Top Layer w0.2: U7.18@12.574,27.225 12.574,30.126 12.2,30.5 10.385,30.5 10.06,30.826 10.06,31.437 9.2,32.297 9.2,33.865 10.91,35.575 U1.15@13.131,35.575
TMC_DRV_ENN: U1.12 U7.28 | length 19.6
  Top Layer w0.2: U7.28@8.124,24.275 8.957,24.275 9.074,24.392 9.074,26.154 7.2,28.028 7.2,33.325 11.75,37.875 13.505,37.875 13.816,37.564 U1.12@13.816,37.26
TMC_MISO: U1.27 U7.16 | length 7.2
  Top Layer w0.2: U7.16@13.574,27.225 13.574,26.392 13.691,26.275 15.24,26.275 15.639,26.674 15.639,28.734 14.816,29.556 U1.27@14.816,30.39
TMC_MOS: U1.25 U7.15 | length 3.5
  Top Layer w0.225: U1.25@13.816,30.39 13.816,30.071 13.525,29.78 13.525,28.45 14.06,27.915 14.06,27.239 U7.15@14.074,27.225
TMC_PWM: U1.24 U7.17 | length 3.9
  Top Layer w0.2: U7.17@13.074,27.225 13.074,31.029 13.12,31.075 U1.24@13.131,31.075
TMC_SCK: U1.26 U7.14 | length 3.3
  Top Layer w0.225: U1.26@14.316,30.39 14.316,28.213 14.56,27.97 14.56,27.239 U7.14@14.574,27.225
VCP: C32.1 U7.34 | length 1.9
  Top Layer w0.2: C32.1@6.329,21.054 6.425,21.15 6.882,21.15 7.007,21.275 U7.34@8.124,21.275
pads on no net: D5.2 D5.5 D6.2 D6.5 D7.2 D7.5 D8.2 D8.5 J1.1 J1.2 J1.3 J1.4 J1.A5 J1.A8 J1.B5 J1.B8 MTH1.MTH MTH2.MTH MTH3.MTH MTH4.MTH P2.2 U1.2 U1.3 U1.4 U1.8 U1.9 U1.16 U1.17 U1.18 U1.19 U1.22 U1.31 U1.32 U1.38 U1.42 U3.4 U4.6 U6.6 U6.7 U6.8 U6.9 U6.10 U6.14 U7.27
copper on no net:
  other v3: 24.325,37.315 30.105,37.315

## Polygon pours and split planes (outlines as drawn)
GND on Top Layer "GND_L01_P012" (solid, pour order 12): 34,14 29,14 29,10 34,10
GND on Top Layer "GND_L01_P011" (solid, pour order 11): 35.875,30.725 37.625,30.725 37.625,26.4 41.15,26.4 41.15,32.925 35.875,32.925
no net on Top Layer "NONET_L01_P010" (solid, pour order 10): 35,16 35,10 38.5,10 38.5,16
12V on Top Layer "NONET_L-01_P-001" (solid, pour order 9): 22.45,14.325 26.925,14.325 26.925,20.975 23.945,20.975 22.45,18.76
BUCK2_SW on Top Layer "NONET_L-01_P-001" (solid, pour order 8): 31.2,23.575 31.2,21 30.75,21 30.75,15.5 27.325,15.5 27.325,21.9 27.325,23.575
48V on Top Layer "48V_L01_P007" (solid, remove dead copper, pour order 7): 32.85,14.225 32.825,14.25 31.575,14.25 31.575,16.625 31.6,16.6 32.85,16.6 32.85,25.725 41.75,25.725 41.75,5.937 36.25,0.437 27.75,0.437 27.75,10.5 32.85,10.5
A2 on Top Layer "A2_L01_P006" (solid, pour order 6): 26.325,7.425 26.325,4.875 24.125,2.675 24.125,0.425 28.868,0.425 29.75,1.307 29.75,4.149 27.8,4.807 27.8,7.425
A1 on Top Layer "A1_L01_P005" (solid, pour order 5): 24.025,7.332 24.025,5.65 21.1,5.65 21.1,0.4 24.5,0.4 24.5,2.9 26.2,4.6 26.2,7.332
B2 on Top Layer "B2_L01_P004" (solid, pour order 4): 14.55,7.35 16.712,2.462 17.9,0.475 20.95,0.475 20.95,5.65 17.993,5.65 17.993,7.407
48V on Top Layer "48V_L01_P003" (solid, pour order 3): 18.5,10.025 18.5,11.05 23.625,11.05 23.625,10.25 28.683,10.25 28.683,6.575 16.948,6.575 15.358,4.868 15.358,0.5 6,0.5 0.733,6.011 0.733,21.375 8.083,21.375 8.083,12.143 10.201,10.025
B1 on Top Layer "B1_L01_P002" (solid, pour order 2): 12.6,4.375 12.6,7.35 15.85,7.35 15.85,3.325 17.575,1.6 17.575,0.4 12.6,0.4
BUCK1_SW on Top Layer "BUCK1_SW_L01_P001" (solid, pour order 1): 33,28.325 33,27.5 33.825,27.5 34.95,26.375 37.45,26.375 37.45,30.45 35.75,30.45 35.75,33.1 33,33.1
5V on Top Layer "5V_L01_P000" (solid, pour order 0): 27.85,28.425 27.85,33.119 32.5,33.119 32.5,27.7 28.575,27.7
GND on Int1 (GND) (split plane): 41.79,36.464 41.79,5.886 36.439,0.535 5.861,0.535 0.51,5.886 0.51,36.464 5.861,41.815 36.439,41.815
GND on Int2 (PWR) (split plane): 41.79,36.464 41.79,5.886 36.439,0.535 5.861,0.535 0.51,5.886 0.51,36.464 5.861,41.815 36.439,41.815

## Silkscreen, mask and mechanical layers (free items; w line width, h text height)
Mechanical 1:
  lines w0.127: 0,5.65 5.65,0 36.65,0 42.3,5.65 42.3,36.65 ; 0,5.65 0,5.65 ; 0,5.65 0,36.65 5.65,42.3 ; 5.65,42.3 5.65,42.3 ; 5.65,42.3 36.65,42.3 ; 36.65,42.3 42.3,36.65 ; 36.65,42.3 36.65,42.3 ; 42.3,36.65 42.3,36.65